# KiCad board SparkFun_IoT_RedBoard-RP2350_panelized.kicad_pcb (continued)
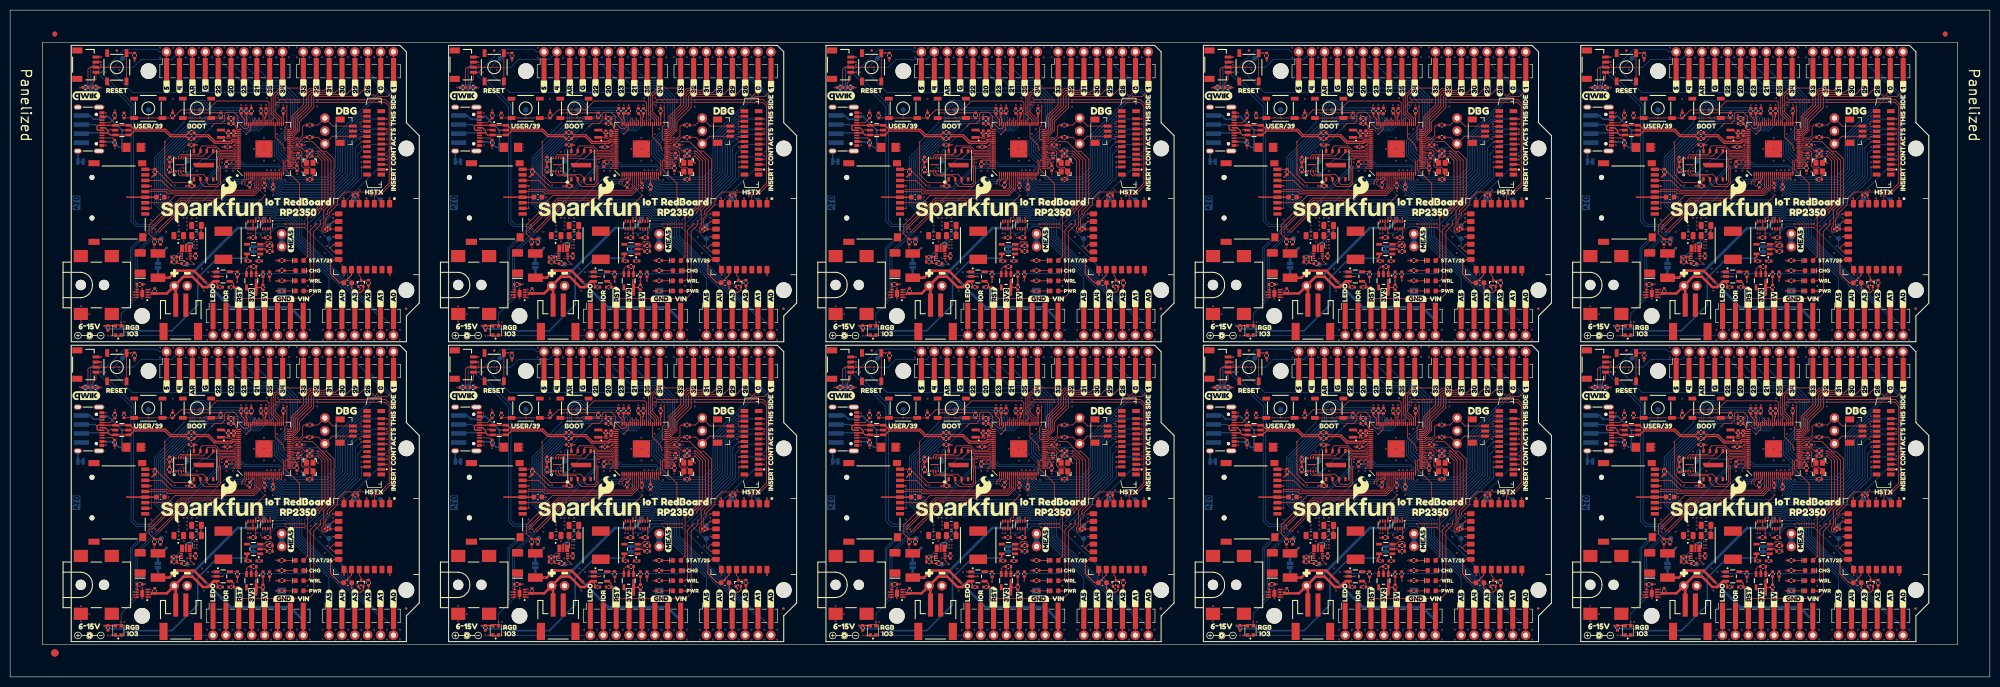
[diagram p0: board, top side]
## Routing (per net, layer and track width the routed paths; a pad name or vN(x,y) marks a point on that pad's centre or on a via; arc(x,y) is an arc through that point) (continued)
/IO4_SDA: length 1381.2
  Top w0.15: U8#4.8 98.83,15.71 v1(98.78,15.66) ; J11#4.2 143.63,41.41 v1(143.58,41.36) ; R6#5.1 164.05,119.79 164.45,120.19 J13#9.3 165.64,120.18 v1(166.64,120.18) v1(170.24,120.18) ; v1(69.22,100.48) 69.27,100.53 J11#3.2 ; v1(194.39,97.23) 194.39,97.68 194.94,98.23 U1#3.1 ; v1(325.41,88.78) 331.01,94.38 338.86,94.38 v1(339.21,94.03) ; v1(173.14,74.78) 173.19,74.83 U8#7.8 ; U1#10.1 343.66,39.11 343.11,38.56 v1(343.11,38.11) ; J11#6.2 217.99,41.41 v1(217.94,41.36) ; J8.2 H1#10.D18 ; v1(27.97,88.78) 33.57,94.38 41.42,94.38 v1(41.77,94.03) ; v1(95.88,120.18) v1(92.28,120.18) 91.28,120.18 J13#7.3 90.09,120.19 89.69,119.79 R6#10.1 ; v1(194.39,38.11) 194.39,38.56 194.94,39.11 U1#7.1 ; v1(251.05,29.66) 256.65,35.26 264.5,35.26 v1(264.85,34.91) ; U1#9.1 343.66,98.23 343.11,97.68 v1(343.11,97.23) ; v1(264.85,94.03) 264.5,94.38 256.65,94.38 v1(251.05,88.78) ; v1(98.78,74.78) 98.83,74.83 U8#2.8 ; v1(247.5,74.78) 247.55,74.83 U8#8.8 ; v1(102.33,88.78) 107.93,94.38 115.78,94.38 v1(116.13,94.03) ; U8.8 24.47,15.71 v1(24.42,15.66) ; U1#8.1 269.3,39.11 268.75,38.56 v1(268.75,38.11) ; J11.2 69.27,41.41 v1(69.22,41.36) ; v1(325.41,29.66) 331.01,35.26 338.86,35.26 v1(339.21,34.91) ; v1(190.49,34.91) 190.14,35.26 182.29,35.26 v1(176.69,29.66) ; v1(190.49,94.03) 190.14,94.38 182.29,94.38 v1(176.69,88.78) ; v1(24.42,74.78) 24.47,74.83 U8#6.8 ; v1(244.6,61.06) v1(241,61.06) 240,61.06 J13#10.3 238.81,61.07 238.41,60.67 R6#8.1 ; v1(170.24,61.06) v1(166.64,61.06) 165.64,61.06 J13#2.3 164.45,61.07 164.05,60.67 R6#7.1 ; v1(120.03,38.11) 120.03,38.56 120.58,39.11 U1#4.1 ; U1#2.1 269.3,98.23 268.75,97.68 v1(268.75,97.23) ; v1(173.14,15.66) 173.19,15.71 U8#3.8 ; J11#10.2 366.71,41.41 v1(366.66,41.36) ; v1(21.52,120.18) v1(17.92,120.18) 16.92,120.18 J13#6.3 15.73,120.19 15.33,119.79 R6#2.1 ; v1(318.96,120.18) v1(315.36,120.18) 314.36,120.18 J13#3.3 313.17,120.19 312.77,119.79 R6#6.1 ; v1(45.67,97.23) 45.67,97.68 46.22,98.23 U1#6.1 ; v1(217.94,100.48) 217.99,100.53 J11#2.2 ; J8#2.2 H1#6.D18 ; U1.1 46.22,39.11 45.67,38.56 v1(45.67,38.11) ; v1(292.3,41.36) 292.35,41.41 J11#8.2 ; J8#3.2 H1#5.D18 ; R6#4.1 312.77,60.67 313.17,61.07 J13#5.3 314.36,61.06 v1(315.36,61.06) v1(318.96,61.06) ; v1(21.52,61.06) v1(17.92,61.06) 16.92,61.06 J13.3 15.73,61.07 15.33,60.67 R6.1 ; J8#10.2 H1#8.D18 ; J8#9.2 H1#9.D18 ; v1(321.86,74.78) 321.91,74.83 U8#9.8 ; v1(366.66,100.48) 366.71,100.53 J11#7.2 ; v1(244.6,120.18) v1(241,120.18) 240,120.18 J13#8.3 238.81,120.19 238.41,119.79 R6#3.1 ; J8#5.2 H1#7.D18 ; J8#7.2 H1.D18 ; v1(292.3,100.48) 292.35,100.53 J11#9.2 ; v1(27.97,29.66) 33.57,35.26 41.42,35.26 v1(41.77,34.91) ; v1(247.5,15.66) 247.55,15.71 U8#5.8 ; v1(102.33,29.66) 107.93,35.26 115.78,35.26 v1(116.13,34.91) ; J8#8.2 H1#3.D18 ; J8#4.2 H1#4.D18 ; R6#9.1 89.69,60.67 90.09,61.07 J13#4.3 91.28,61.06 v1(92.28,61.06) v1(95.88,61.06) ; v1(321.86,15.66) 321.91,15.71 U8#10.8 ; J11#5.2 143.63,100.53 v1(143.58,100.48) ; v1(120.03,97.23) 120.03,97.68 120.58,98.23 U1#5.1 ; J8#6.2 H1#2.D18
  Bottom w0.15: v1(170.24,61.06) 173.01,61.06 174.51,62.56 180.55,62.56 H1.D18 ; v1(343.11,38.11) 342.41,38.11 v1(339.21,34.91) 350.06,34.91 350.56,34.41 361.76,34.41 366.66,39.31 v1(366.66,41.36) ; v1(318.96,61.06) 321.74,61.06 323.24,62.56 329.27,62.56 H1#3.D18 ; v1(143.58,41.36) 143.58,39.31 138.68,34.41 127.48,34.41 126.98,34.91 v1(116.13,34.91) 119.33,38.11 v1(120.03,38.11) ; v1(166.64,120.18) 166.09,119.63 166.09,118.88 172.54,112.43 172.54,89.83 173.59,88.78 v1(176.69,88.78) 172.44,84.53 172.44,75.13 172.79,74.78 v1(173.14,74.78) ; v1(321.86,15.66) 321.51,15.66 321.16,16.01 321.16,25.41 v1(325.41,29.66) 322.31,29.66 321.26,30.71 321.26,53.31 314.81,59.76 314.81,60.51 v1(315.36,61.06) ; H1#4.D18 106.19,62.56 100.16,62.56 98.66,61.06 v1(95.88,61.06) ; v1(166.64,61.06) 166.09,60.51 166.09,59.76 172.54,53.31 172.54,30.71 173.59,29.66 v1(176.69,29.66) 172.44,25.41 172.44,16.01 172.79,15.66 v1(173.14,15.66) ; v1(92.28,120.18) 91.73,119.63 91.73,118.88 98.18,112.43 98.18,89.83 99.23,88.78 v1(102.33,88.78) 98.08,84.53 98.08,75.13 98.43,74.78 v1(98.78,74.78) ; v1(315.36,120.18) 314.81,119.63 314.81,118.88 321.26,112.43 321.26,89.83 322.31,88.78 v1(325.41,88.78) 321.16,84.53 321.16,75.13 321.51,74.78 v1(321.86,74.78) ; v1(45.67,97.23) 44.97,97.23 v1(41.77,94.03) 52.62,94.03 53.12,93.53 64.32,93.53 69.22,98.43 v1(69.22,100.48) ; v1(98.78,15.66) 98.43,15.66 98.08,16.01 98.08,25.41 v1(102.33,29.66) 99.23,29.66 98.18,30.71 98.18,53.31 91.73,59.76 91.73,60.51 v1(92.28,61.06) ; H1#2.D18 254.91,62.56 248.88,62.56 247.38,61.06 v1(244.6,61.06) ; v1(24.42,15.66) 24.07,15.66 23.72,16.01 23.72,25.41 v1(27.97,29.66) 24.87,29.66 23.82,30.71 23.82,53.31 17.37,59.76 17.37,60.51 v1(17.92,61.06) ; v1(292.3,41.36) 292.3,39.31 287.4,34.41 276.2,34.41 275.7,34.91 v1(264.85,34.91) 268.05,38.11 v1(268.75,38.11) ; v1(366.66,100.48) 366.66,98.43 361.76,93.53 350.56,93.53 350.06,94.03 v1(339.21,94.03) 342.41,97.23 v1(343.11,97.23) ; v1(241,120.18) 240.45,119.63 240.45,118.88 246.9,112.43 246.9,89.83 247.95,88.78 v1(251.05,88.78) 246.8,84.53 246.8,75.13 247.15,74.78 v1(247.5,74.78) ; H1#7.D18 180.55,121.68 174.51,121.68 173.01,120.18 v1(170.24,120.18) ; H1#10.D18 31.83,62.56 25.8,62.56 24.3,61.06 v1(21.52,61.06) ; v1(194.39,38.11) 193.69,38.11 v1(190.49,34.91) 201.34,34.91 201.84,34.41 213.04,34.41 217.94,39.31 v1(217.94,41.36) ; v1(292.3,100.48) 292.3,98.43 287.4,93.53 276.2,93.53 275.7,94.03 v1(264.85,94.03) 268.05,97.23 v1(268.75,97.23) ; v1(244.6,120.18) 247.38,120.18 248.88,121.68 254.91,121.68 H1#8.D18 ; v1(241,61.06) 240.45,60.51 240.45,59.76 246.9,53.31 246.9,30.71 247.95,29.66 v1(251.05,29.66) 246.8,25.41 246.8,16.01 247.15,15.66 v1(247.5,15.66) ; v1(318.96,120.18) 321.74,120.18 323.24,121.68 329.27,121.68 H1#9.D18 ; v1(24.42,74.78) 24.07,74.78 23.72,75.13 23.72,84.53 v1(27.97,88.78) 24.87,88.78 23.82,89.83 23.82,112.43 17.37,118.88 17.37,119.63 v1(17.92,120.18) ; v1(143.58,100.48) 143.58,98.43 138.68,93.53 127.48,93.53 126.98,94.03 v1(116.13,94.03) 119.33,97.23 v1(120.03,97.23) ; v1(217.94,100.48) 217.94,98.43 213.04,93.53 201.84,93.53 201.34,94.03 v1(190.49,94.03) 193.69,97.23 v1(194.39,97.23) ; v1(21.52,120.18) 24.3,120.18 25.8,121.68 31.83,121.68 H1#5.D18 ; v1(69.22,41.36) 69.22,39.31 64.32,34.41 53.12,34.41 52.62,34.91 v1(41.77,34.91) 44.97,38.11 v1(45.67,38.11) ; v1(95.88,120.18) 98.66,120.18 100.16,121.68 106.19,121.68 H1#6.D18
/IO5_SCL: length 1389.8
  Top w0.15: J8#3.1 H1#5.D19 ; v1(176.69,88.23) 182.44,93.98 188.24,93.98 v1(188.69,93.53) ; v1(92.28,60.06) 91.28,60.06 J13#4.4 91.27,58.65 90.67,58.05 R5#4.1 ; R5#2.1 16.31,117.17 16.91,117.77 J13#6.4 16.92,119.18 v1(17.92,119.18) ; J11#6.3 222.89,41.91 v1(222.94,41.86) ; v1(173.14,16.16) 173.19,16.21 U8#3.7 ; J11#2.3 222.89,101.03 v1(222.94,100.98) ; R5#8.1 90.67,117.17 91.27,117.77 J13#7.4 91.28,119.18 v1(92.28,119.18) ; v1(371.66,100.98) 371.61,101.03 J11#7.3 ; R5#3.1 165.03,58.05 165.63,58.65 J13#2.4 165.64,60.06 v1(166.64,60.06) ; v1(269.3,97.63) 269.7,98.03 U1#2.2 ; v1(166.64,119.18) 165.64,119.18 J13#9.4 165.63,117.77 165.03,117.17 R5#6.1 ; R5#7.1 239.39,58.05 239.99,58.65 J13#10.4 240,60.06 v1(241,60.06) ; v1(247.5,75.28) 247.55,75.33 U8#8.7 ; U1#7.2 195.34,38.91 v1(194.94,38.51) ; v1(263.05,93.53) 262.6,93.98 256.8,93.98 v1(251.05,88.23) ; v1(24.42,75.28) 24.47,75.33 U8#6.7 ; v1(148.58,100.98) 148.53,101.03 J11#5.3 ; J8#9.1 H1#9.D19 ; v1(114.33,93.53) 113.88,93.98 108.08,93.98 v1(102.33,88.23) ; v1(98.78,75.28) 98.83,75.33 U8#2.7 ; J11#9.3 297.25,101.03 v1(297.3,100.98) ; U1#6.2 46.62,98.03 v1(46.22,97.63) ; R5#9.1 239.39,117.17 239.99,117.77 J13#8.4 240,119.18 v1(241,119.18) ; v1(27.97,29.11) 33.72,34.86 39.52,34.86 v1(39.97,34.41) ; U8#7.7 173.19,75.33 v1(173.14,75.28) ; v1(343.66,97.63) 344.06,98.03 U1#9.2 ; v1(269.3,38.51) 269.7,38.91 U1#8.2 ; v1(39.97,93.53) 39.52,93.98 33.72,93.98 v1(27.97,88.23) ; v1(98.78,16.16) 98.83,16.21 U8#4.7 ; U8.7 24.47,16.21 v1(24.42,16.16) ; J8.1 H1#10.D19 ; U1#4.2 120.98,38.91 v1(120.58,38.51) ; v1(337.41,34.41) 336.96,34.86 331.16,34.86 v1(325.41,29.11) ; v1(102.33,29.11) 108.08,34.86 113.88,34.86 v1(114.33,34.41) ; v1(194.94,97.63) 195.34,98.03 U1#3.2 ; v1(120.58,97.63) 120.98,98.03 U1#5.2 ; R5#10.1 313.75,58.05 314.35,58.65 J13#5.4 314.36,60.06 v1(315.36,60.06) ; J11#4.3 148.53,41.91 v1(148.58,41.86) ; v1(371.66,41.86) 371.61,41.91 J11#10.3 ; v1(74.22,100.98) 74.17,101.03 J11#3.3 ; v1(321.86,16.16) 321.91,16.21 U8#10.7 ; v1(188.69,34.41) 188.24,34.86 182.44,34.86 v1(176.69,29.11) ; R5.1 16.31,58.05 16.91,58.65 J13.4 16.92,60.06 v1(17.92,60.06) ; U8#9.7 321.91,75.33 v1(321.86,75.28) ; U8#5.7 247.55,16.21 v1(247.5,16.16) ; J11.3 74.17,41.91 v1(74.22,41.86) ; v1(337.41,93.53) 336.96,93.98 331.16,93.98 v1(325.41,88.23) ; v1(263.05,34.41) 262.6,34.86 256.8,34.86 v1(251.05,29.11) ; J8#5.1 H1#7.D19 ; v1(343.66,38.51) 344.06,38.91 U1#10.2 ; J8#6.1 H1#2.D19 ; J8#7.1 H1.D19 ; v1(46.22,38.51) 46.62,38.91 U1.2 ; J8#10.1 H1#8.D19 ; v1(315.36,119.18) 314.36,119.18 J13#3.4 314.35,117.77 313.75,117.17 R5#5.1 ; J8#8.1 H1#3.D19 ; J8#4.1 H1#4.D19 ; J8#2.1 H1#6.D19 ; J11#8.3 297.25,41.91 v1(297.3,41.86)
  Bottom w0.15: v1(371.66,100.98) 370.66,100.98 362.71,93.03 350.46,93.03 349.96,93.53 v1(337.41,93.53) 341.51,97.63 v1(343.66,97.63) ; v1(98.78,75.28) 98.53,75.28 98.38,75.43 98.38,84.28 v1(102.33,88.23) 102.78,88.68 102.78,88.98 102.53,89.23 99.48,89.23 98.68,90.03 98.68,112.78 v1(92.28,119.18) 96.83,123.73 103.28,123.73 103.79,123.22 H1#6.D19 ; H1#10.D19 29.43,64.1 28.92,64.61 22.47,64.61 v1(17.92,60.06) 24.32,53.66 24.32,30.91 25.12,30.11 28.17,30.11 28.42,29.86 28.42,29.56 v1(27.97,29.11) 24.02,25.16 24.02,16.31 24.17,16.16 v1(24.42,16.16) ; v1(120.58,97.63) 118.43,97.63 v1(114.33,93.53) 126.88,93.53 127.38,93.03 139.63,93.03 147.58,100.98 v1(148.58,100.98) ; v1(247.5,16.16) 247.25,16.16 247.1,16.31 247.1,25.16 v1(251.05,29.11) 251.5,29.56 251.5,29.86 251.25,30.11 248.2,30.11 247.4,30.91 247.4,53.66 v1(241,60.06) 245.55,64.61 252,64.61 252.51,64.1 H1#2.D19 ; v1(98.78,16.16) 98.53,16.16 98.38,16.31 98.38,25.16 v1(102.33,29.11) 102.78,29.56 102.78,29.86 102.53,30.11 99.48,30.11 98.68,30.91 98.68,53.66 v1(92.28,60.06) 96.83,64.61 103.28,64.61 103.79,64.1 H1#4.D19 ; v1(194.94,38.51) 192.79,38.51 v1(188.69,34.41) 201.24,34.41 201.74,33.91 213.99,33.91 221.94,41.86 v1(222.94,41.86) ; H1#3.D19 326.87,64.1 326.36,64.61 319.91,64.61 v1(315.36,60.06) 321.76,53.66 321.76,30.91 322.56,30.11 325.61,30.11 325.86,29.86 325.86,29.56 v1(325.41,29.11) 321.46,25.16 321.46,16.31 321.61,16.16 v1(321.86,16.16) ; v1(269.3,38.51) 267.15,38.51 v1(263.05,34.41) 275.6,34.41 276.1,33.91 288.35,33.91 296.3,41.86 v1(297.3,41.86) ; v1(297.3,100.98) 296.3,100.98 288.35,93.03 276.1,93.03 275.6,93.53 v1(263.05,93.53) 267.15,97.63 v1(269.3,97.63) ; v1(24.42,75.28) 24.17,75.28 24.02,75.43 24.02,84.28 v1(27.97,88.23) 28.42,88.68 28.42,88.98 28.17,89.23 25.12,89.23 24.32,90.03 24.32,112.78 v1(17.92,119.18) 22.47,123.73 28.92,123.73 29.43,123.22 H1#5.D19 ; v1(173.14,16.16) 172.89,16.16 172.74,16.31 172.74,25.16 v1(176.69,29.11) 177.14,29.56 177.14,29.86 176.89,30.11 173.84,30.11 173.04,30.91 173.04,53.66 v1(166.64,60.06) 171.19,64.61 177.64,64.61 178.15,64.1 H1.D19 ; v1(194.94,97.63) 192.79,97.63 v1(188.69,93.53) 201.24,93.53 201.74,93.03 213.99,93.03 221.94,100.98 v1(222.94,100.98) ; H1#7.D19 178.15,123.22 177.64,123.73 171.19,123.73 v1(166.64,119.18) 173.04,112.78 173.04,90.03 173.84,89.23 176.89,89.23 177.14,88.98 177.14,88.68 v1(176.69,88.23) 172.74,84.28 172.74,75.43 172.89,75.28 v1(173.14,75.28) ; v1(46.22,38.51) 44.07,38.51 v1(39.97,34.41) 52.52,34.41 53.02,33.91 65.27,33.91 73.22,41.86 v1(74.22,41.86) ; v1(148.58,41.86) 147.58,41.86 139.63,33.91 127.38,33.91 126.88,34.41 v1(114.33,34.41) 118.43,38.51 v1(120.58,38.51) ; v1(321.86,75.28) 321.61,75.28 321.46,75.43 321.46,84.28 v1(325.41,88.23) 325.86,88.68 325.86,88.98 325.61,89.23 322.56,89.23 321.76,90.03 321.76,112.78 v1(315.36,119.18) 319.91,123.73 326.36,123.73 326.87,123.22 H1#9.D19 ; v1(371.66,41.86) 370.66,41.86 362.71,33.91 350.46,33.91 349.96,34.41 v1(337.41,34.41) 341.51,38.51 v1(343.66,38.51) ; v1(46.22,97.63) 44.07,97.63 v1(39.97,93.53) 52.52,93.53 53.02,93.03 65.27,93.03 73.22,100.98 v1(74.22,100.98) ; v1(247.5,75.28) 247.25,75.28 247.1,75.43 247.1,84.28 v1(251.05,88.23) 251.5,88.68 251.5,88.98 251.25,89.23 248.2,89.23 247.4,90.03 247.4,112.78 v1(241,119.18) 245.55,123.73 252,123.73 252.51,123.22 H1#8.D19
/IO20_POCI: length 375.3
  Top w0.15: J8#2.6 H1#6.D12 ; J8#7.6 H1.D12 ; v1(53.82,42.66) U1.20 ; J8#8.6 H1#3.D12 ; J8#6.6 H1#2.D12 ; v1(202.54,101.78) U1#3.20 ; v1(351.26,42.66) U1#10.20 ; J8#5.6 H1#7.D12 ; J8#9.6 H1#9.D12 ; v1(351.26,101.78) U1#9.20 ; v1(276.9,42.66) U1#8.20 ; v1(53.82,101.78) U1#6.20 ; J8#3.6 H1#5.D12 ; J8#10.6 H1#8.D12 ; v1(128.18,42.66) U1#4.20 ; v1(276.9,101.78) U1#2.20 ; J8.6 H1#10.D12 ; J8#4.6 H1#4.D12 ; v1(202.54,42.66) U1#7.20 ; v1(128.18,101.78) U1#5.20
  Bottom w0.15: H1#4.D12 117.89,62 122.43,57.46 127.18,57.46 130.03,54.61 130.03,49.46 126.83,46.26 126.83,44.01 v1(128.18,42.66) ; v1(53.82,101.78) 52.47,103.13 52.47,105.38 55.67,108.58 55.67,113.73 52.82,116.58 48.07,116.58 43.53,121.12 H1#5.D12 ; v1(202.54,101.78) 201.19,103.13 201.19,105.38 204.39,108.58 204.39,113.73 201.54,116.58 196.79,116.58 192.25,121.12 H1#7.D12 ; v1(53.82,42.66) 52.47,44.01 52.47,46.26 55.67,49.46 55.67,54.61 52.82,57.46 48.07,57.46 43.53,62 H1#10.D12 ; H1#2.D12 266.61,62 271.15,57.46 275.9,57.46 278.75,54.61 278.75,49.46 275.55,46.26 275.55,44.01 v1(276.9,42.66) ; v1(351.26,42.66) 349.91,44.01 349.91,46.26 353.11,49.46 353.11,54.61 350.26,57.46 345.51,57.46 340.97,62 H1#3.D12 ; H1#8.D12 266.61,121.12 271.15,116.58 275.9,116.58 278.75,113.73 278.75,108.58 275.55,105.38 275.55,103.13 v1(276.9,101.78) ; H1#6.D12 117.89,121.12 122.43,116.58 127.18,116.58 130.03,113.73 130.03,108.58 126.83,105.38 126.83,103.13 v1(128.18,101.78) ; H1.D12 192.25,62 196.79,57.46 201.54,57.46 204.39,54.61 204.39,49.46 201.19,46.26 201.19,44.01 v1(202.54,42.66) ; v1(351.26,101.78) 349.91,103.13 349.91,105.38 353.11,108.58 353.11,113.73 350.26,116.58 345.51,116.58 340.97,121.12 H1#9.D12
/IO21_~{CS}: length 351.5
  Top w0.15: U1#6.21 55.82,100.28 v1(55.82,100.27) ; J8.8 H1#10.D10 ; J8#3.8 H1#5.D10 ; J8#5.8 H1#7.D10 ; v1(130.18,100.27) 130.18,100.28 U1#5.21 ; J8#10.8 H1#8.D10 ; J8#4.8 H1#4.D10 ; v1(278.9,41.15) 278.9,41.16 U1#8.21 ; J8#9.8 H1#9.D10 ; J8#2.8 H1#6.D10 ; v1(130.18,41.15) 130.18,41.16 U1#4.21 ; J8#8.8 H1#3.D10 ; U1.21 55.82,41.16 v1(55.82,41.15) ; U1#9.21 353.26,100.28 v1(353.26,100.27) ; v1(204.54,41.15) 204.54,41.16 U1#7.21 ; U1#3.21 204.54,100.28 v1(204.54,100.27) ; J8#7.8 H1.D10 ; v1(278.9,100.27) 278.9,100.28 U1#2.21 ; v1(353.26,41.15) 353.26,41.16 U1#10.21 ; J8#6.8 H1#2.D10
  Bottom w0.15: v1(55.82,100.27) 56.22,100.67 56.22,101.43 55.77,101.88 55.32,101.88 53.37,103.83 53.37,104.93 56.57,108.13 56.57,114.33 53.37,117.53 51.22,117.53 48.61,120.14 H1#5.D10 ; H1#8.D10 271.69,120.14 274.3,117.53 276.45,117.53 279.65,114.33 279.65,108.13 276.45,104.93 276.45,103.83 278.4,101.88 278.85,101.88 279.3,101.43 279.3,100.67 v1(278.9,100.27) ; v1(130.18,41.15) 130.58,41.55 130.58,42.31 130.13,42.76 129.68,42.76 127.73,44.71 127.73,45.81 130.93,49.01 130.93,55.21 127.73,58.41 125.58,58.41 122.97,61.02 H1#4.D10 ; v1(278.9,41.15) 279.3,41.55 279.3,42.31 278.85,42.76 278.4,42.76 276.45,44.71 276.45,45.81 279.65,49.01 279.65,55.21 276.45,58.41 274.3,58.41 271.69,61.02 H1#2.D10 ; v1(204.54,41.15) 204.94,41.55 204.94,42.31 204.49,42.76 204.04,42.76 202.09,44.71 202.09,45.81 205.29,49.01 205.29,55.21 202.09,58.41 199.94,58.41 197.33,61.02 H1.D10 ; v1(353.26,100.27) 353.66,100.67 353.66,101.43 353.21,101.88 352.76,101.88 350.81,103.83 350.81,104.93 354.01,108.13 354.01,114.33 350.81,117.53 348.66,117.53 346.05,120.14 H1#9.D10 ; v1(55.82,41.15) 56.22,41.55 56.22,42.31 55.77,42.76 55.32,42.76 53.37,44.71 53.37,45.81 56.57,49.01 56.57,55.21 53.37,58.41 51.22,58.41 48.61,61.02 H1#10.D10 ; H1#6.D10 122.97,120.14 125.58,117.53 127.73,117.53 130.93,114.33 130.93,108.13 127.73,104.93 127.73,103.83 129.68,101.88 130.13,101.88 130.58,101.43 130.58,100.67 v1(130.18,100.27) ; H1#3.D10 346.05,61.02 348.66,58.41 350.81,58.41 354.01,55.21 354.01,49.01 350.81,45.81 350.81,44.71 352.76,42.76 353.21,42.76 353.66,42.31 353.66,41.55 v1(353.26,41.15) ; v1(204.54,100.27) 204.94,100.67 204.94,101.43 204.49,101.88 204.04,101.88 202.09,103.83 202.09,104.93 205.29,108.13 205.29,114.33 202.09,117.53 199.94,117.53 197.33,120.14 H1#7.D10
/IO22_SCK: length 399.7
  Top w0.15: v1(55.62,100.68) 55.61,100.68 U1#6.22 ; v1(278.7,100.68) 278.69,100.68 U1#2.22 ; U1.22 55.61,41.56 v1(55.62,41.56) ; J8#10.5 H1#8.D13 ; J8#8.5 H1#3.D13 ; U1#4.22 129.97,41.56 v1(129.98,41.56) ; v1(204.34,100.68) 204.33,100.68 U1#3.22 ; J8#2.5 H1#6.D13 ; J8#5.5 H1#7.D13 ; v1(204.34,41.56) 204.33,41.56 U1#7.22 ; v1(353.06,41.56) 353.05,41.56 U1#10.22 ; J8#9.5 H1#9.D13 ; J8#4.5 H1#4.D13 ; J8#6.5 H1#2.D13 ; J8#7.5 H1.D13 ; v1(353.06,100.68) 353.05,100.68 U1#9.22 ; J8#3.5 H1#5.D13 ; v1(278.7,41.56) 278.69,41.56 U1#8.22 ; J8.5 H1#10.D13 ; U1#5.22 129.97,100.68 v1(129.98,100.68)
  Bottom w0.15: v1(204.34,41.56) 204.04,41.56 204.04,41.56 202.94,41.56 200.74,43.76 200.74,46.51 203.94,49.71 203.94,54.36 201.34,56.96 195.54,56.96 189.71,62.79 H1.D13 ; v1(55.62,41.56) 55.32,41.56 55.32,41.56 54.22,41.56 52.02,43.76 52.02,46.51 55.22,49.71 55.22,54.36 52.62,56.96 46.82,56.96 40.99,62.79 H1#10.D13 ; v1(353.06,100.68) 352.76,100.68 352.76,100.68 351.66,100.68 349.46,102.88 349.46,105.63 352.66,108.83 352.66,113.48 350.06,116.08 344.26,116.08 338.43,121.91 H1#9.D13 ; v1(55.62,100.68) 55.32,100.68 55.32,100.68 54.22,100.68 52.02,102.88 52.02,105.63 55.22,108.83 55.22,113.48 52.62,116.08 46.82,116.08 40.99,121.91 H1#5.D13 ; H1#8.D13 264.07,121.91 269.9,116.08 275.7,116.08 278.3,113.48 278.3,108.83 275.1,105.63 275.1,102.88 277.3,100.68 278.4,100.68 278.4,100.68 v1(278.7,100.68) ; v1(353.06,41.56) 352.76,41.56 352.76,41.56 351.66,41.56 349.46,43.76 349.46,46.51 352.66,49.71 352.66,54.36 350.06,56.96 344.26,56.96 338.43,62.79 H1#3.D13 ; v1(129.98,41.56) 129.68,41.56 129.68,41.56 128.58,41.56 126.38,43.76 126.38,46.51 129.58,49.71 129.58,54.36 126.98,56.96 121.18,56.96 115.35,62.79 H1#4.D13 ; v1(204.34,100.68) 204.04,100.68 204.04,100.68 202.94,100.68 200.74,102.88 200.74,105.63 203.94,108.83 203.94,113.48 201.34,116.08 195.54,116.08 189.71,121.91 H1#7.D13 ; v1(278.7,41.56) 278.4,41.56 278.4,41.56 277.3,41.56 275.1,43.76 275.1,46.51 278.3,49.71 278.3,54.36 275.7,56.96 269.9,56.96 264.07,62.79 H1#2.D13 ; H1#6.D13 115.35,121.91 121.18,116.08 126.98,116.08 129.58,113.48 129.58,108.83 126.38,105.63 126.38,102.88 128.58,100.68 129.68,100.68 129.68,100.68 v1(129.98,100.68)
/IO23_PICO: length 357.6
  Top w0.15: U1#10.23 353.26,41.96 v1(353.26,41.96) ; J8#8.7 H1#3.D11 ; v1(278.9,101.08) 278.9,101.08 U1#2.23 ; v1(130.18,41.96) 130.18,41.96 U1#4.23 ; v1(55.82,101.08) 55.82,101.08 U1#6.23 ; U1#3.23 204.54,101.08 v1(204.54,101.08) ; v1(130.18,101.08) 130.18,101.08 U1#5.23 ; U1.23 55.82,41.96 v1(55.82,41.96) ; v1(353.26,101.08) 353.26,101.08 U1#9.23 ; J8#9.7 H1#9.D11 ; J8#10.7 H1#8.D11 ; J8#6.7 H1#2.D11 ; J8#7.7 H1.D11 ; U1#8.23 278.9,41.96 v1(278.9,41.96) ; v1(204.54,41.96) 204.54,41.96 U1#7.23 ; J8#5.7 H1#7.D11 ; J8#2.7 H1#6.D11 ; J8#3.7 H1#5.D11 ; J8.7 H1#10.D11 ; J8#4.7 H1#4.D11
  Bottom w0.15: H1#9.D11 343.51,120.78 347.21,117.08 350.51,117.08 353.56,114.03 353.56,108.38 350.36,105.18 350.36,103.48 352.76,101.08 v1(353.26,101.08) ; v1(130.18,41.96) 129.68,41.96 127.28,44.36 127.28,46.06 130.48,49.26 130.48,54.91 127.43,57.96 124.13,57.96 120.43,61.66 H1#4.D11 ; H1#5.D11 46.07,120.78 49.77,117.08 53.07,117.08 56.12,114.03 56.12,108.38 52.92,105.18 52.92,103.48 55.32,101.08 v1(55.82,101.08) ; H1#2.D11 269.15,61.66 272.85,57.96 276.15,57.96 279.2,54.91 279.2,49.26 276,46.06 276,44.36 278.4,41.96 v1(278.9,41.96) ; v1(204.54,41.96) 204.04,41.96 201.64,44.36 201.64,46.06 204.84,49.26 204.84,54.91 201.79,57.96 198.49,57.96 194.79,61.66 H1.D11 ; v1(130.18,101.08) 129.68,101.08 127.28,103.48 127.28,105.18 130.48,108.38 130.48,114.03 127.43,117.08 124.13,117.08 120.43,120.78 H1#6.D11 ; v1(278.9,101.08) 278.4,101.08 276,103.48 276,105.18 279.2,108.38 279.2,114.03 276.15,117.08 272.85,117.08 269.15,120.78 H1#8.D11 ; v1(204.54,101.08) 204.04,101.08 201.64,103.48 201.64,105.18 204.84,108.38 204.84,114.03 201.79,117.08 198.49,117.08 194.79,120.78 H1#7.D11 ; v1(55.82,41.96) 55.32,41.96 52.92,44.36 52.92,46.06 56.12,49.26 56.12,54.91 53.07,57.96 49.77,57.96 46.07,61.66 H1#10.D11 ; H1#3.D11 343.51,61.66 347.21,57.96 350.51,57.96 353.56,54.91 353.56,49.26 350.36,46.06 350.36,44.36 352.76,41.96 v1(353.26,41.96)
/IO28: length 535.6
  Top w0.15: U1#10.36 353.01,47.16 354.46,48.61 354.46,50.31 357.26,53.11 357.26,55.11 357.46,55.31 365.76,55.31 367.92,57.47 J9#9.6 367.92,64.07 H1#3.D2 ; J11.5 74.17,42.91 v1(74.22,42.86) ; J11#3.5 74.17,102.03 v1(74.22,101.98) ; J11#5.5 148.53,102.03 v1(148.58,101.98) ; U1.36 55.57,47.16 57.02,48.61 57.02,50.31 59.82,53.11 59.82,55.11 60.02,55.31 68.32,55.31 70.48,57.47 J9.6 70.48,64.07 H1#10.D2 ; U1#7.36 204.29,47.16 205.74,48.61 205.74,50.31 208.54,53.11 208.54,55.11 208.74,55.31 217.04,55.31 219.2,57.47 J9#2.6 219.2,64.07 H1.D2 ; v1(371.66,101.98) 371.61,102.03 J11#7.5 ; v1(371.66,42.86) 371.61,42.91 J11#10.5 ; v1(297.3,42.86) 297.25,42.91 J11#8.5 ; H1#6.D2 144.84,123.19 J9#7.6 144.84,116.59 142.68,114.43 134.38,114.43 134.18,114.23 134.18,112.23 131.38,109.43 131.38,107.73 129.93,106.28 U1#5.36 ; U1#2.36 278.65,106.28 280.1,107.73 280.1,109.43 282.9,112.23 282.9,114.23 283.1,114.43 291.4,114.43 293.56,116.59 J9#5.6 293.56,123.19 H1#8.D2 ; v1(222.94,101.98) 222.89,102.03 J11#2.5 ; H1#9.D2 367.92,123.19 J9#10.6 367.92,116.59 365.76,114.43 357.46,114.43 357.26,114.23 357.26,112.23 354.46,109.43 354.46,107.73 353.01,106.28 U1#9.36 ; J11#9.5 297.25,102.03 v1(297.3,101.98) ; v1(148.58,42.86) 148.53,42.91 J11#4.5 ; H1#5.D2 70.48,123.19 J9#4.6 70.48,116.59 68.32,114.43 60.02,114.43 59.82,114.23 59.82,112.23 57.02,109.43 57.02,107.73 55.57,106.28 U1#6.36 ; U1#3.36 204.29,106.28 205.74,107.73 205.74,109.43 208.54,112.23 208.54,114.23 208.74,114.43 217.04,114.43 219.2,116.59 J9#8.6 219.2,123.19 H1#7.D2 ; H1#2.D2 293.56,64.07 J9#3.6 293.56,57.47 291.4,55.31 283.1,55.31 282.9,55.11 282.9,53.11 280.1,50.31 280.1,48.61 278.65,47.16 U1#8.36 ; H1#4.D2 144.84,64.07 J9#6.6 144.84,57.47 142.68,55.31 134.38,55.31 134.18,55.11 134.18,53.11 131.38,50.31 131.38,48.61 129.93,47.16 U1#4.36 ; v1(222.94,42.86) 222.89,42.91 J11#6.5
  Bottom w0.15: v1(297.3,101.98) 298.5,103.18 298.5,114.48 293.53,119.45 H1#8.D2 ; v1(148.58,101.98) 149.78,103.18 149.78,114.48 144.81,119.45 H1#6.D2 ; v1(74.22,101.98) 75.42,103.18 75.42,114.48 70.45,119.45 H1#5.D2 ; v1(222.94,101.98) 224.14,103.18 224.14,114.48 219.17,119.45 H1#7.D2 ; v1(371.66,101.98) 372.86,103.18 372.86,114.48 367.89,119.45 H1#9.D2 ; v1(148.58,42.86) 149.78,44.06 149.78,55.36 144.81,60.33 H1#4.D2 ; v1(74.22,42.86) 75.42,44.06 75.42,55.36 70.45,60.33 H1#10.D2 ; v1(371.66,42.86) 372.86,44.06 372.86,55.36 367.89,60.33 H1#3.D2 ; v1(297.3,42.86) 298.5,44.06 298.5,55.36 293.53,60.33 H1#2.D2 ; v1(222.94,42.86) 224.14,44.06 224.14,55.36 219.17,60.33 H1.D2
/IO29: length 556.3
  Top w0.15: U1#7.37 204.27,47.56 205.39,48.68 205.39,50.66 208.04,53.31 208.04,55.31 208.44,55.71 214.91,55.71 216.66,57.45 J9#2.5 216.66,64.07 H1.D3 ; U1#9.37 352.99,106.68 354.11,107.8 354.11,109.78 356.76,112.43 356.76,114.43 357.16,114.83 363.63,114.83 365.38,116.57 J9#10.5 365.38,123.19 H1#9.D3 ; v1(143.58,102.48) 143.63,102.53 J11#5.6 ; v1(217.94,43.36) 217.99,43.41 J11#6.6 ; H1#3.D3 365.38,64.07 J9#9.5 365.38,57.45 363.63,55.71 357.16,55.71 356.76,55.31 356.76,53.31 354.11,50.66 354.11,48.68 352.99,47.56 U1#10.37 ; J11#10.6 366.71,43.41 v1(366.66,43.36) ; H1#10.D3 67.94,64.07 J9.5 67.94,57.45 66.2,55.71 59.72,55.71 59.32,55.31 59.32,53.31 56.67,50.66 56.67,48.68 55.55,47.56 U1.37 ; J11#7.6 366.71,102.53 v1(366.66,102.48) ; v1(292.3,43.36) 292.35,43.41 J11#8.6 ; U1#2.37 278.63,106.68 279.75,107.8 279.75,109.78 282.4,112.43 282.4,114.43 282.8,114.83 289.27,114.83 291.02,116.57 J9#5.5 291.02,123.19 H1#8.D3 ; J11#2.6 217.99,102.53 v1(217.94,102.48) ; J11#3.6 69.27,102.53 v1(69.22,102.48) ; H1#7.D3 216.66,123.19 J9#8.5 216.66,116.57 214.91,114.83 208.44,114.83 208.04,114.43 208.04,112.43 205.39,109.78 205.39,107.8 204.27,106.68 U1#3.37 ; H1#2.D3 291.02,64.07 J9#3.5 291.02,57.45 289.27,55.71 282.8,55.71 282.4,55.31 282.4,53.31 279.75,50.66 279.75,48.68 278.63,47.56 U1#8.37 ; v1(292.3,102.48) 292.35,102.53 J11#9.6 ; J11.6 69.27,43.41 v1(69.22,43.36) ; H1#6.D3 142.3,123.19 J9#7.5 142.3,116.57 140.56,114.83 134.08,114.83 133.68,114.43 133.68,112.43 131.03,109.78 131.03,107.8 129.91,106.68 U1#5.37 ; H1#5.D3 67.94,123.19 J9#4.5 67.94,116.57 66.2,114.83 59.72,114.83 59.32,114.43 59.32,112.43 56.67,109.78 56.67,107.8 55.55,106.68 U1#6.37 ; H1#4.D3 142.3,64.07 J9#6.5 142.3,57.45 140.56,55.71 134.08,55.71 133.68,55.31 133.68,53.31 131.03,50.66 131.03,48.68 129.91,47.56 U1#4.37 ; v1(143.58,43.36) 143.63,43.41 J11#4.6